# Altium PCB Acquisition-System_V1.0.PcbDoc (part 4 of 5) (continued)
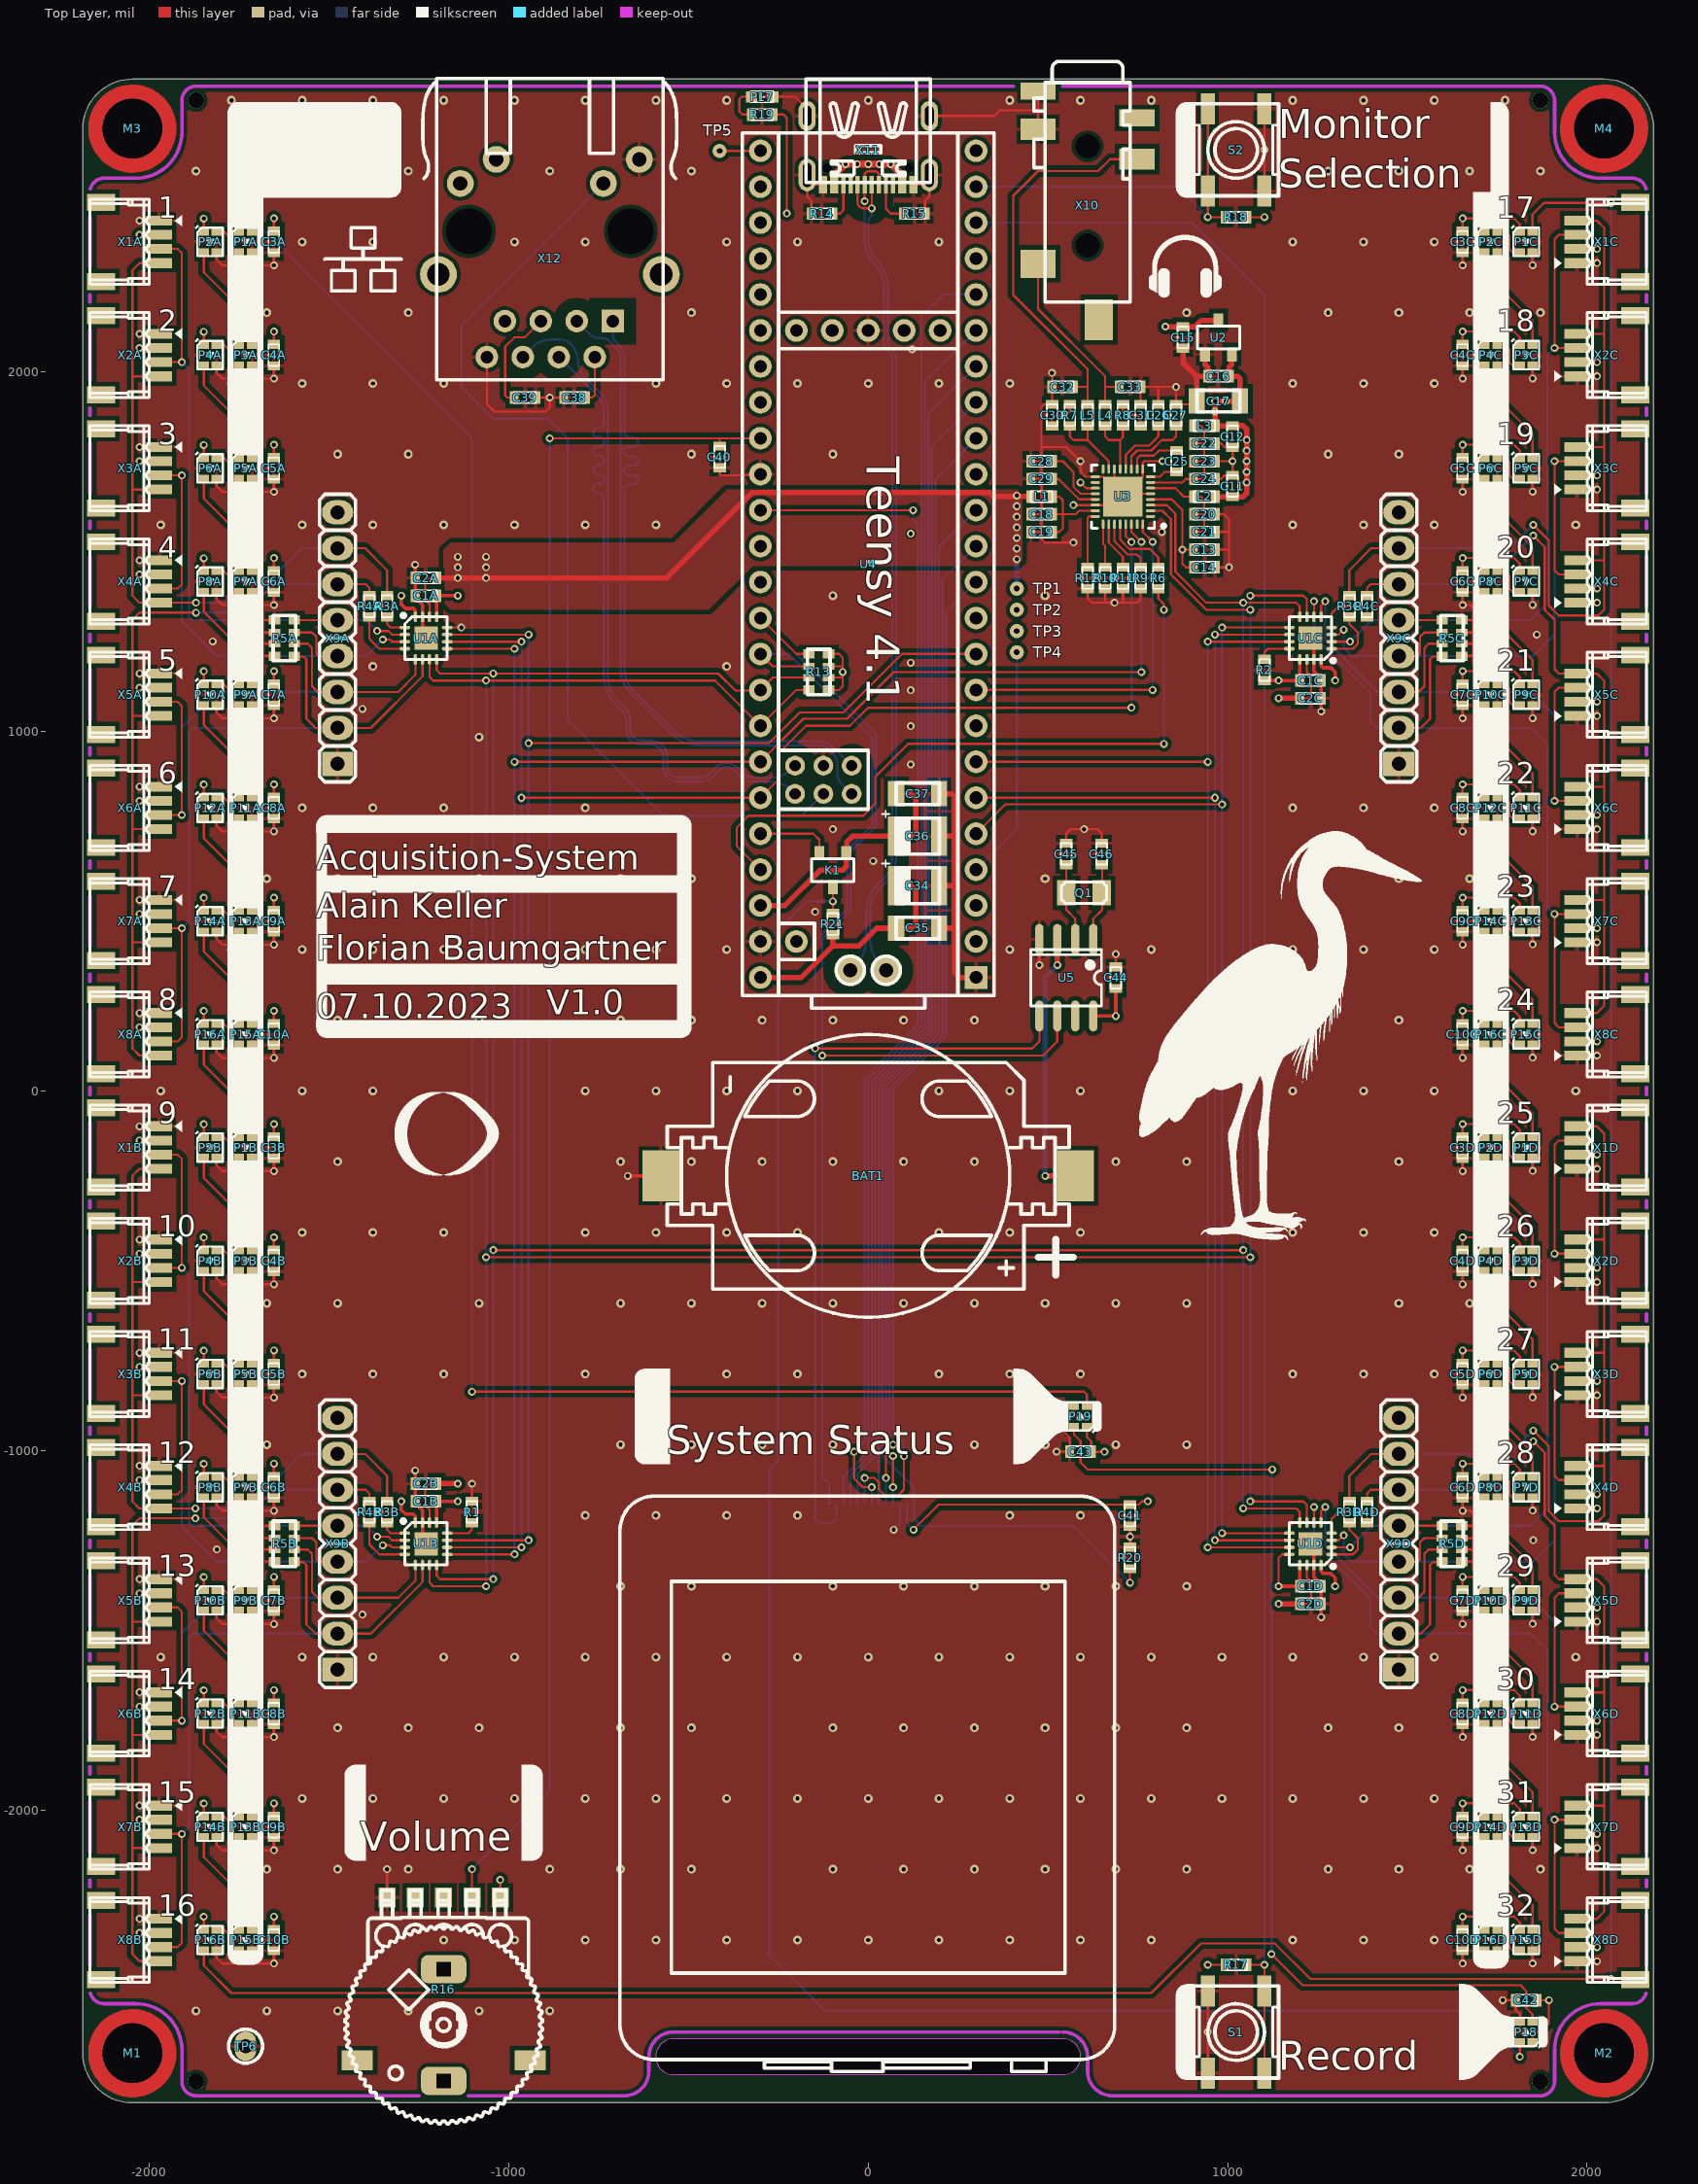
[diagram p0: Top Layer view]
## Polygon pours and split planes (outlines as drawn)
no net on Top Overlay (solid): -935.04,-2140.75 ccw(c-935.04,-2111.22) -905.51,-2111.22 -905.51,-1904.53 ccw(c-935.04,-1904.53) -935.04,-1875 -964.57,-1875 -964.57,-2140.75
no net on Top Overlay (solid): -1427.17,-2140.75 cw(c-1427.17,-2111.22) -1456.69,-2111.22 -1456.69,-1904.53 cw(c-1427.17,-1904.53) -1427.17,-1875 -1397.64,-1875 -1397.64,-2140.75
no net on Top Overlay (solid): -1328.74,2485.24 ccw(c-1328.74,2514.76) -1299.21,2514.76 -1299.21,2721.46 ccw(c-1328.74,2721.46) -1328.74,2750.98 -1574.8,2750.98 -1574.8,2485.24
no net on Top Overlay (solid): 1795.28,-2660.43 ccw(c1791.71,-2715.98) 1754.95,-2674.18 1695.55,-2733.58 cw(c1653.54,-2691.58) 1653.54,-2750.98 1643.7,-2750.98 1643.7,-2485.24 1653.54,-2485.24 cw(c1653.54,-2544.64) 1695.55,-2502.64 1754.95,-2562.04 ccw(c1791.71,-2520.24) 1795.28,-2575.79
no net on Top Overlay (solid): 1866.14,-2660.43 1876.97,-2660.43 ccw(c1876.97,-2647.64) 1889.76,-2647.64 1889.76,-2587.6 ccw(c1877.95,-2587.6) 1877.95,-2575.79 1866.14,-2575.79 1866.14,-2578.74
no net on Top Overlay (solid): 625.98,-947.83 636.81,-947.83 ccw(c636.81,-935.04) 649.61,-935.04 649.61,-875 ccw(c637.8,-875) 637.8,-863.19 625.98,-863.19 625.98,-866.14
no net on Top Overlay (solid): 555.12,-947.83 ccw(c551.55,-1003.39) 514.79,-961.59 455.39,-1020.99 cw(c413.39,-978.98) 413.39,-1038.39 403.54,-1038.39 403.54,-772.64 413.39,-772.64 cw(c413.39,-832.04) 455.39,-790.04 514.79,-849.44 ccw(c551.55,-807.64) 555.12,-863.19
no net on Top Overlay (solid): -620.08,-1038.39 cw(c-620.08,-1008.86) -649.61,-1008.86 -649.61,-802.17 cw(c-620.08,-802.17) -620.08,-772.64 -551.18,-772.64 -551.18,-1038.39
no net on Top Overlay (solid): -1751.97,2485.24 cw(c-1751.97,2514.76) -1781.5,2514.76 -1781.5,2721.46 cw(c-1751.97,2721.46) -1751.97,2750.98 -1574.8,2750.98 -1574.8,2485.24
no net on Top Overlay (solid): -1781.5,2519.69 -1683.07,2519.69 -1683.07,-2401.57 -1781.5,-2401.57
no net on Top Overlay (solid): 1781.5,2485.24 1781.5,2721.46 ccw(c1751.97,2721.46) 1751.97,2750.98 1732.28,2750.98 1732.28,2485.24
no net on Top Overlay (solid): 1781.5,2500 1683.07,2500 1683.07,-2401.57 1781.5,-2401.57
GND on Top Layer "NONET_L-01_P-001" (solid, remove dead copper, pour order 25): -1901.57,2779.53 ccw(c-1870.08,2755.91) -1909.45,2755.91 -1909.45,2667.32 cw(c-2037.4,2667.32) -2037.4,2539.37 -2125.98,2539.37 ccw(c-2125.99,2519.69) -2145.67,2519.68 -2145.67,-2519.68 ccw(c-2125.98,-2519.69) -2125.98,-2539.37 -2037.4,-2539.37 cw(c-2037.4,-2667.32) -1909.45,-2667.32 -1909.45,-2755.91 ccw(c-1870.08,-2755.91) -1870.08,-2795.28 1870.08,-2795.28 ccw(c1870.08,-2755.91) 1909.45,-2755.91 1909.45,-2667.32 cw(c2037.4,-2667.32) 2037.4,-2539.37 2125.98,-2539.37 ccw(c2125.98,-2519.68) 2145.67,-2519.68 2145.67,2519.69 ccw(c2125.98,2519.69) 2125.98,2539.37 2037.4,2539.37 cw(c2037.4,2667.32) 1909.45,2667.32 1909.45,2755.91 ccw(c1870.08,2755.91) 1901.57,2779.53
1V8 on Top Layer "NONET_L-01_P-001" (solid, pour order 22): -1161.42,1525.59 -1181.1,1505.91 -1181.1,1358.27 -1161.42,1338.58 -442.91,1338.58 -320.87,1460.63 413.39,1460.63 429.13,1476.38 429.13,1657.48 413.39,1673.23 -393.7,1673.23 -541.34,1525.59
3V3 on Mid-Layer 1 "NONET_L-01_P-001" (solid, remove dead copper, pour order 24): -1901.57,2779.53 ccw(c-1870.08,2755.91) -1909.45,2755.91 -1909.45,2667.32 cw(c-2037.4,2667.32) -2037.4,2539.37 -2125.98,2539.37 ccw(c-2125.99,2519.69) -2145.67,2519.68 -2145.67,-2519.68 ccw(c-2125.98,-2519.69) -2125.98,-2539.37 -2037.4,-2539.37 cw(c-2037.4,-2667.32) -1909.45,-2667.32 -1909.45,-2755.91 ccw(c-1870.08,-2755.91) -1870.08,-2795.28 1870.08,-2795.28 ccw(c1870.08,-2755.91) 1909.45,-2755.91 1909.45,-2667.32 cw(c2037.4,-2667.32) 2037.4,-2539.37 2125.98,-2539.37 ccw(c2125.98,-2519.68) 2145.67,-2519.68 2145.67,2519.69 ccw(c2125.98,2519.69) 2125.98,2539.37 2037.4,2539.37 cw(c2037.4,2667.32) 1909.45,2667.32 1909.45,2755.91 ccw(c1870.08,2755.91) 1901.57,2779.53
5V on Mid-Layer 1 "NONET_L-01_P-001" (solid, pour order 18): 344.49,1450.79 344.49,575.79 334.65,565.94 4.92,565.94 -196.85,364.17 -344.49,364.17 -364.17,344.49 -364.17,236.22 -344.49,216.54 334.65,216.54 354.33,196.85 354.33,-777.56 610.24,-1033.46 688.98,-1033.46 708.66,-1013.78 708.66,-954.72 472.44,-718.5 472.44,1450.79
5V on Mid-Layer 1 "NONET_L-01_P-001" (solid, pour order 17): -1456.69,2716.54 -216.54,2716.54 216.54,2716.54 531.5,2716.54 551.18,2696.85 551.18,2283.46 570.87,2263.78 1377.95,2263.78 1377.95,2047.24 492.13,2047.24 472.44,2027.56 344.49,2027.56 344.49,2440.94 324.8,2460.63 255.91,2460.63 196.85,2460.63 -39.37,2460.63 -196.85,2460.63 -255.91,2460.63 -1456.69,2460.63
1V8 on Mid-Layer 1 "NONET_L-01_P-001" (solid, pour order 21): -1181.1,-1102.36 -1161.42,-1122.05 -1043.31,-1122.05 -1023.62,-1102.36 -1023.62,1505.91 -1043.31,1525.59 -1161.42,1525.59 -1181.1,1505.91
1V8 on Mid-Layer 1 "NONET_L-01_P-001" (solid, pour order 23): 399.12,1474.89 413.39,1460.63 527.56,1460.63 551.18,1484.25 551.18,1692.91 482.28,1692.91 482.28,1673.23 413.39,1673.23 399.12,1658.96
5V on Mid-Layer 1 "NONET_L-01_P-001" (solid, pour order 20): 421.26,1437.01 388.78,1469.49 388.78,1663.39 408.46,1683.07 472.44,1683.07 472.44,2027.56 344.49,2027.56 344.49,1437.01
1V8 on Mid-Layer 1 "NONET_L-01_P-001" (solid, pour order 19): 1181.1,-1437.01 1161.42,-1456.69 1122.05,-1456.69 1023.62,-1358.27 1023.62,1614.17 925.2,1712.6 580.71,1712.6 501.97,1633.86 413.39,1633.86 399.12,1648.12 399.12,1658.96 413.39,1673.23 482.28,1673.23 482.28,2023.62 496.06,2037.4 1181.1,2037.4 1181.1,1909.45 1181.1,-1338.58
5V on Mid-Layer 1 "NONET_L-01_P-001" (solid, pour order 16): 1909.45,-2283.46 1909.45,-2303.15 1909.45,-2539.37 1889.76,-2559.06 1633.86,-2559.06 1614.17,-2539.37 1614.17,2027.56 1594.49,2047.24 1377.95,2047.24 1377.95,2263.78 1594.49,2263.78 1614.17,2283.46 1614.17,2421.26 1633.86,2440.94 1889.76,2440.94 1909.45,2421.26
5V on Mid-Layer 1 "NONET_L-01_P-001" (solid, pour order 15): -1909.45,-2303.15 -1889.76,-2322.83 -1633.86,-2322.83 -1614.17,-2303.15 -1614.17,2283.46 -1279.53,2618.11 -1279.53,2716.54 -1574.8,2716.54 -1909.45,2381.89
no net on Bottom Overlay (solid): 1604.33,-2495.08 cw(c1604.33,-2465.55) 1574.8,-2465.55 1574.8,-2258.86 cw(c1604.33,-2258.86) 1604.33,-2229.33 1633.86,-2229.33 1633.86,-2495.08
no net on Bottom Overlay (solid): 2096.46,-2495.08 ccw(c2096.46,-2465.55) 2125.98,-2465.55 2125.98,-2258.86 ccw(c2096.46,-2258.86) 2096.46,-2229.33 2066.93,-2229.33 2066.93,-2495.08
no net on Bottom Overlay (solid): 1604.33,-2180.12 cw(c1604.33,-2150.59) 1574.8,-2150.59 1574.8,-1943.9 cw(c1604.33,-1943.9) 1604.33,-1914.37 1633.86,-1914.37 1633.86,-2180.12
no net on Bottom Overlay (solid): 2096.46,-2180.12 ccw(c2096.46,-2150.59) 2125.98,-2150.59 2125.98,-1943.9 ccw(c2096.46,-1943.9) 2096.46,-1914.37 2066.93,-1914.37 2066.93,-2180.12
no net on Bottom Overlay (solid): 1604.33,-1865.16 cw(c1604.33,-1835.63) 1574.8,-1835.63 1574.8,-1628.94 cw(c1604.33,-1628.94) 1604.33,-1599.41 1633.86,-1599.41 1633.86,-1865.16
no net on Bottom Overlay (solid): 2096.46,-1865.16 ccw(c2096.46,-1835.63) 2125.98,-1835.63 2125.98,-1628.94 ccw(c2096.46,-1628.94) 2096.46,-1599.41 2066.93,-1599.41 2066.93,-1865.16
no net on Bottom Overlay (solid): 1604.33,-1550.2 cw(c1604.33,-1520.67) 1574.8,-1520.67 1574.8,-1313.98 cw(c1604.33,-1313.98) 1604.33,-1284.45 1633.86,-1284.45 1633.86,-1550.2
no net on Bottom Overlay (solid): 2096.46,-1550.2 ccw(c2096.46,-1520.67) 2125.98,-1520.67 2125.98,-1313.98 ccw(c2096.46,-1313.98) 2096.46,-1284.45 2066.93,-1284.45 2066.93,-1550.2
no net on Bottom Overlay (solid): 1604.33,-1235.24 cw(c1604.33,-1205.71) 1574.8,-1205.71 1574.8,-999.02 cw(c1604.33,-999.02) 1604.33,-969.49 1633.86,-969.49 1633.86,-1235.24
no net on Bottom Overlay (solid): 2096.46,-1235.24 ccw(c2096.46,-1205.71) 2125.98,-1205.71 2125.98,-999.02 ccw(c2096.46,-999.02) 2096.46,-969.49 2066.93,-969.49 2066.93,-1235.24
no net on Bottom Overlay (solid): 1604.33,-920.28 cw(c1604.33,-890.75) 1574.8,-890.75 1574.8,-684.05 cw(c1604.33,-684.05) 1604.33,-654.53 1633.86,-654.53 1633.86,-920.28
no net on Bottom Overlay (solid): 2096.46,-920.28 ccw(c2096.46,-890.75) 2125.98,-890.75 2125.98,-684.05 ccw(c2096.46,-684.05) 2096.46,-654.53 2066.93,-654.53 2066.93,-920.28
no net on Bottom Overlay (solid): 1604.33,-605.31 cw(c1604.33,-575.79) 1574.8,-575.79 1574.8,-369.09 cw(c1604.33,-369.09) 1604.33,-339.57 1633.86,-339.57 1633.86,-605.31
no net on Bottom Overlay (solid): 2096.46,-605.31 ccw(c2096.46,-575.79) 2125.98,-575.79 2125.98,-369.09 ccw(c2096.46,-369.09) 2096.46,-339.57 2066.93,-339.57 2066.93,-605.31
no net on Bottom Overlay (solid): 1604.33,-290.35 cw(c1604.33,-260.83) 1574.8,-260.83 1574.8,-54.13 cw(c1604.33,-54.13) 1604.33,-24.61 1633.86,-24.61 1633.86,-290.35
no net on Bottom Overlay (solid): 2096.46,-290.35 ccw(c2096.46,-260.83) 2125.98,-260.83 2125.98,-54.13 ccw(c2096.46,-54.13) 2096.46,-24.61 2066.93,-24.61 2066.93,-290.35
no net on Bottom Overlay (solid): 1604.33,24.61 cw(c1604.33,54.13) 1574.8,54.13 1574.8,260.83 cw(c1604.33,260.83) 1604.33,290.35 1633.86,290.35 1633.86,24.61
no net on Bottom Overlay (solid): 2096.46,24.61 ccw(c2096.46,54.13) 2125.98,54.13 2125.98,260.83 ccw(c2096.46,260.83) 2096.46,290.35 2066.93,290.35 2066.93,24.61
no net on Bottom Overlay (solid): 1604.33,339.57 cw(c1604.33,369.09) 1574.8,369.09 1574.8,575.79 cw(c1604.33,575.79) 1604.33,605.32 1633.86,605.32 1633.86,339.57
no net on Bottom Overlay (solid): 2096.46,339.57 ccw(c2096.46,369.09) 2125.98,369.09 2125.98,575.79 ccw(c2096.46,575.79) 2096.46,605.32 2066.93,605.32 2066.93,339.57
no net on Bottom Overlay (solid): 1604.33,654.53 cw(c1604.33,684.05) 1574.8,684.06 1574.8,890.75 cw(c1604.33,890.75) 1604.33,920.28 1633.86,920.28 1633.86,654.53
no net on Bottom Overlay (solid): 2096.46,654.53 ccw(c2096.46,684.05) 2125.98,684.06 2125.98,890.75 ccw(c2096.46,890.75) 2096.46,920.28 2066.93,920.28 2066.93,654.53
no net on Bottom Overlay (solid): 1604.33,969.49 cw(c1604.33,999.01) 1574.8,999.02 1574.8,1205.71 cw(c1604.33,1205.71) 1604.33,1235.24 1633.86,1235.24 1633.86,969.49
no net on Bottom Overlay (solid): 2096.46,969.49 ccw(c2096.46,999.01) 2125.98,999.02 2125.98,1205.71 ccw(c2096.46,1205.71) 2096.46,1235.24 2066.93,1235.24 2066.93,969.49
no net on Bottom Overlay (solid): 1604.33,1284.45 cw(c1604.33,1313.98) 1574.8,1313.98 1574.8,1520.67 cw(c1604.33,1520.67) 1604.33,1550.2 1633.86,1550.2 1633.86,1284.45
no net on Bottom Overlay (solid): 2096.46,1284.45 ccw(c2096.46,1313.98) 2125.98,1313.98 2125.98,1520.67 ccw(c2096.46,1520.67) 2096.46,1550.2 2066.93,1550.2 2066.93,1284.45
no net on Bottom Overlay (solid): 1604.33,1599.41 cw(c1604.33,1628.94) 1574.8,1628.94 1574.8,1835.63 cw(c1604.33,1835.63) 1604.33,1865.16 1633.86,1865.16 1633.86,1599.41
no net on Bottom Overlay (solid): 2096.46,1599.41 ccw(c2096.46,1628.94) 2125.98,1628.94 2125.98,1835.63 ccw(c2096.46,1835.63) 2096.46,1865.16 2066.93,1865.16 2066.93,1599.41
no net on Bottom Overlay (solid): 1604.33,1914.37 cw(c1604.33,1943.9) 1574.8,1943.9 1574.8,2150.59 cw(c1604.33,2150.59) 1604.33,2180.12 1633.86,2180.12 1633.86,1914.37
no net on Bottom Overlay (solid): 2096.46,1914.37 ccw(c2096.46,1943.9) 2125.98,1943.9 2125.98,2150.59 ccw(c2096.46,2150.59) 2096.46,2180.12 2066.93,2180.12 2066.93,1914.37
no net on Bottom Overlay (solid): 2096.46,2229.33 ccw(c2096.46,2258.86) 2125.98,2258.86 2125.98,2465.55 ccw(c2096.46,2465.55) 2096.46,2495.08 2066.93,2495.08 2066.93,2229.33
no net on Bottom Overlay (solid): 1604.33,2229.33 cw(c1604.33,2258.86) 1574.8,2258.86 1574.8,2465.55 cw(c1604.33,2465.55) 1604.33,2495.08 1633.86,2495.08 1633.86,2229.33
no net on Bottom Overlay (solid): -1604.33,2229.33 ccw(c-1604.33,2258.86) -1574.8,2258.86 -1574.8,2465.55 ccw(c-1604.33,2465.55) -1604.33,2495.08 -1633.86,2495.08 -1633.86,2229.33
no net on Bottom Overlay (solid): -2096.46,2229.33 cw(c-2096.46,2258.86) -2125.98,2258.86 -2125.98,2465.55 cw(c-2096.46,2465.55) -2096.46,2495.08 -2066.93,2495.08 -2066.93,2229.33
no net on Bottom Overlay (solid): -1604.33,-2495.08 ccw(c-1604.33,-2465.55) -1574.8,-2465.55 -1574.8,-2258.86 ccw(c-1604.33,-2258.86) -1604.33,-2229.33 -1633.86,-2229.33 -1633.86,-2495.08
no net on Bottom Overlay (solid): -2096.46,-2495.08 cw(c-2096.46,-2465.55) -2125.98,-2465.55 -2125.98,-2258.86 cw(c-2096.46,-2258.86) -2096.46,-2229.33 -2066.93,-2229.33 -2066.93,-2495.08
no net on Bottom Overlay (solid): -1604.33,-2180.12 ccw(c-1604.33,-2150.59) -1574.8,-2150.59 -1574.8,-1943.9 ccw(c-1604.33,-1943.9) -1604.33,-1914.37 -1633.86,-1914.37 -1633.86,-2180.12
no net on Bottom Overlay (solid): -2096.46,-2180.12 cw(c-2096.46,-2150.59) -2125.98,-2150.59 -2125.98,-1943.9 cw(c-2096.46,-1943.9) -2096.46,-1914.37 -2066.93,-1914.37 -2066.93,-2180.12
no net on Bottom Overlay (solid): -1604.33,-1865.16 ccw(c-1604.33,-1835.63) -1574.8,-1835.63 -1574.8,-1628.94 ccw(c-1604.33,-1628.94) -1604.33,-1599.41 -1633.86,-1599.41 -1633.86,-1865.16
no net on Bottom Overlay (solid): -2096.46,-1865.16 cw(c-2096.46,-1835.63) -2125.98,-1835.63 -2125.98,-1628.94 cw(c-2096.46,-1628.94) -2096.46,-1599.41 -2066.93,-1599.41 -2066.93,-1865.16
no net on Bottom Overlay (solid): -1604.33,-1550.2 ccw(c-1604.33,-1520.67) -1574.8,-1520.67 -1574.8,-1313.98 ccw(c-1604.33,-1313.98) -1604.33,-1284.45 -1633.86,-1284.45 -1633.86,-1550.2
no net on Bottom Overlay (solid): -2096.46,-1550.2 cw(c-2096.46,-1520.67) -2125.98,-1520.67 -2125.98,-1313.98 cw(c-2096.46,-1313.98) -2096.46,-1284.45 -2066.93,-1284.45 -2066.93,-1550.2
no net on Bottom Overlay (solid): -1604.33,-1235.24 ccw(c-1604.33,-1205.71) -1574.8,-1205.71 -1574.8,-999.02 ccw(c-1604.33,-999.02) -1604.33,-969.49 -1633.86,-969.49 -1633.86,-1235.24
no net on Bottom Overlay (solid): -2096.46,-1235.24 cw(c-2096.46,-1205.71) -2125.98,-1205.71 -2125.98,-999.02 cw(c-2096.46,-999.02) -2096.46,-969.49 -2066.93,-969.49 -2066.93,-1235.24
no net on Bottom Overlay (solid): -1604.33,-920.28 ccw(c-1604.33,-890.75) -1574.8,-890.75 -1574.8,-684.05 ccw(c-1604.33,-684.05) -1604.33,-654.53 -1633.86,-654.53 -1633.86,-920.28
no net on Bottom Overlay (solid): -2096.46,-920.28 cw(c-2096.46,-890.75) -2125.98,-890.75 -2125.98,-684.05 cw(c-2096.46,-684.05) -2096.46,-654.53 -2066.93,-654.53 -2066.93,-920.28
no net on Bottom Overlay (solid): -1604.33,-605.31 ccw(c-1604.33,-575.79) -1574.8,-575.79 -1574.8,-369.09 ccw(c-1604.33,-369.09) -1604.33,-339.57 -1633.86,-339.57 -1633.86,-605.31
no net on Bottom Overlay (solid): -2096.46,-605.31 cw(c-2096.46,-575.79) -2125.98,-575.79 -2125.98,-369.09 cw(c-2096.46,-369.09) -2096.46,-339.57 -2066.93,-339.57 -2066.93,-605.31
no net on Bottom Overlay (solid): -1604.33,-290.35 ccw(c-1604.33,-260.83) -1574.8,-260.83 -1574.8,-54.13 ccw(c-1604.33,-54.13) -1604.33,-24.61 -1633.86,-24.61 -1633.86,-290.35
no net on Bottom Overlay (solid): -2096.46,-290.35 cw(c-2096.46,-260.83) -2125.98,-260.83 -2125.98,-54.13 cw(c-2096.46,-54.13) -2096.46,-24.61 -2066.93,-24.61 -2066.93,-290.35
no net on Bottom Overlay (solid): -1604.33,24.61 ccw(c-1604.33,54.13) -1574.8,54.13 -1574.8,260.83 ccw(c-1604.33,260.83) -1604.33,290.35 -1633.86,290.35 -1633.86,24.61
no net on Bottom Overlay (solid): -2096.46,24.61 cw(c-2096.46,54.13) -2125.98,54.13 -2125.98,260.83 cw(c-2096.46,260.83) -2096.46,290.35 -2066.93,290.35 -2066.93,24.61
no net on Bottom Overlay (solid): -1604.33,339.57 ccw(c-1604.33,369.09) -1574.8,369.09 -1574.8,575.79 ccw(c-1604.33,575.79) -1604.33,605.32 -1633.86,605.32 -1633.86,339.57
no net on Bottom Overlay (solid): -2096.46,339.57 cw(c-2096.46,369.09) -2125.98,369.09 -2125.98,575.79 cw(c-2096.46,575.79) -2096.46,605.32 -2066.93,605.32 -2066.93,339.57
no net on Bottom Overlay (solid): -1604.33,654.53 ccw(c-1604.33,684.05) -1574.8,684.06 -1574.8,890.75 ccw(c-1604.33,890.75) -1604.33,920.28 -1633.86,920.28 -1633.86,654.53
no net on Bottom Overlay (solid): -2096.46,654.53 cw(c-2096.46,684.05) -2125.98,684.06 -2125.98,890.75 cw(c-2096.46,890.75) -2096.46,920.28 -2066.93,920.28 -2066.93,654.53
no net on Bottom Overlay (solid): -1604.33,969.49 ccw(c-1604.33,999.01) -1574.8,999.02 -1574.8,1205.71 ccw(c-1604.33,1205.71) -1604.33,1235.24 -1633.86,1235.24 -1633.86,969.49
no net on Bottom Overlay (solid): -2096.46,969.49 cw(c-2096.46,999.01) -2125.98,999.02 -2125.98,1205.71 cw(c-2096.46,1205.71) -2096.46,1235.24 -2066.93,1235.24 -2066.93,969.49
no net on Bottom Overlay (solid): -1604.33,1284.45 ccw(c-1604.33,1313.98) -1574.8,1313.98 -1574.8,1520.67 ccw(c-1604.33,1520.67) -1604.33,1550.2 -1633.86,1550.2 -1633.86,1284.45
no net on Bottom Overlay (solid): -2096.46,1284.45 cw(c-2096.46,1313.98) -2125.98,1313.98 -2125.98,1520.67 cw(c-2096.46,1520.67) -2096.46,1550.2 -2066.93,1550.2 -2066.93,1284.45
no net on Bottom Overlay (solid): -1604.33,1599.41 ccw(c-1604.33,1628.94) -1574.8,1628.94 -1574.8,1835.63 ccw(c-1604.33,1835.63) -1604.33,1865.16 -1633.86,1865.16 -1633.86,1599.41
no net on Bottom Overlay (solid): -2096.46,1599.41 cw(c-2096.46,1628.94) -2125.98,1628.94 -2125.98,1835.63 cw(c-2096.46,1835.63) -2096.46,1865.16 -2066.93,1865.16 -2066.93,1599.41
no net on Bottom Overlay (solid): -2096.46,1914.37 cw(c-2096.46,1943.9) -2125.98,1943.9 -2125.98,2150.59 cw(c-2096.46,2150.59) -2096.46,2180.12 -2066.93,2180.12 -2066.93,1914.37
no net on Bottom Overlay (solid): -1604.33,1914.37 ccw(c-1604.33,1943.9) -1574.8,1943.9 -1574.8,2150.59 ccw(c-1604.33,2150.59) -1604.33,2180.12 -1633.86,2180.12 -1633.86,1914.37
GND on Mid-Layer 2 "NONET_L-01_P-001" (solid, remove dead copper, pour order 12): -1901.57,2779.53 ccw(c-1870.08,2755.91) -1909.45,2755.91 -1909.45,2667.32 cw(c-2037.4,2667.32) -2037.4,2539.37 -2125.98,2539.37 ccw(c-2125.99,2519.69) -2145.67,2519.68 -2145.67,-2519.68 ccw(c-2125.98,-2519.69) -2125.98,-2539.37 -2037.4,-2539.37 cw(c-2037.4,-2667.32) -1909.45,-2667.32 -1909.45,-2755.91 ccw(c-1870.08,-2755.91) -1870.08,-2795.28 1870.08,-2795.28 ccw(c1870.08,-2755.91) 1909.45,-2755.91 1909.45,-2667.32 cw(c2037.4,-2667.32) 2037.4,-2539.37 2125.98,-2539.37 ccw(c2125.98,-2519.68) 2145.67,-2519.68 2145.67,2519.69 ccw(c2125.98,2519.69) 2125.98,2539.37 2037.4,2539.37 cw(c2037.4,2667.32) 1909.45,2667.32 1909.45,2755.91 ccw(c1870.08,2755.91) 1901.57,2779.53
GND on Bottom Layer "NONET_L-01_P-001" (solid, remove dead copper, pour order 14): -1898.99,2783.41 ccw(c-1867.49,2759.79) -1906.86,2759.79 -1906.86,2671.21 cw(c-2034.81,2671.2) -2034.82,2543.25 -2123.4,2543.25 ccw(c-2123.4,2523.57) -2143.08,2523.57 -2143.08,-2515.8 ccw(c-2123.4,-2515.8) -2123.4,-2535.49 -2034.82,-2535.49 cw(c-2034.81,-2663.44) -1906.86,-2663.44 -1906.86,-2752.02 ccw(c-1867.49,-2752.02) -1867.49,-2791.39 1872.66,-2791.39 ccw(c1872.66,-2752.02) 1912.03,-2752.02 1912.03,-2663.44 cw(c2039.99,-2663.44) 2039.99,-2535.49 2128.57,-2535.49 ccw(c2128.57,-2515.8) 2148.26,-2515.8 2148.26,2523.57 ccw(c2128.57,2523.57) 2128.57,2543.25 2039.99,2543.25 cw(c2039.99,2671.21) 1912.03,2671.21 1912.03,2759.79 ccw(c1872.67,2759.79) 1904.16,2783.41

## Keep-outs
Keep-Out Layer:
  lines w10: -2165.35,-2431.1 -2165.35,-2293.31 ; -2165.35,-2214.57 -2165.35,-2194.88 ; -2165.35,-2116.14 -2165.35,-1978.35 ; -2165.35,-1899.61 -2165.35,-1879.92 ; -2165.35,-1801.18 -2165.35,-1663.39 ; -2165.35,-1584.65 -2165.35,-1564.96 ; -2165.35,-1486.22 -2165.35,-1348.43 ; -2165.35,-1269.68 -2165.35,-1250 ; -2165.35,-1171.26 -2165.35,-1033.46 ; -2165.35,-954.72 -2165.35,-935.04 ; -2165.35,-856.3 -2165.35,-718.5 ; -2165.35,-639.76 -2165.35,-620.08 ; -2165.35,-541.34 -2165.35,-403.54 ; -2165.35,-324.8 -2165.35,-305.12 ; -2165.35,-226.38 -2165.35,-88.58 ; -2165.35,-9.84 -2165.35,9.84 ; -2165.35,88.58 -2165.35,226.38 ; -2165.35,305.12 -2165.35,324.8 ; -2165.35,403.54 -2165.35,541.34 ; -2165.35,620.08 -2165.35,639.76 ; -2165.35,718.5 -2165.35,856.3 ; -2165.35,935.04 -2165.35,954.72 ; -2165.35,1033.46 -2165.35,1171.26 ; -2165.35,1250 -2165.35,1269.69 ; -2165.35,1348.43 -2165.35,1486.22 ; -2165.35,1564.96 -2165.35,1584.65 ; -2165.35,1663.39 -2165.35,1801.18 ; -2165.35,1879.92 -2165.35,1899.61 ; -2165.35,1978.35 -2165.35,2116.14 ; -2165.35,2194.88 -2165.35,2214.57 ; -2165.35,2293.31 -2165.35,2431.1 ; -2164.01,-2510.19 ccw(c-2125.98,-2500) -2125.98,-2539.37 -2037.4,-2539.37 cw(c-2037.4,-2667.32) -1909.45,-2667.32 -1909.45,-2755.91 ccw(c-1870.08,-2755.91) -1870.08,-2795.28 -1250,-2795.28 ; -2164.01,2510.19 cw(c-2125.98,2500) -2125.98,2539.37 -2037.4,2539.37 ccw(c-2037.4,2667.32) -1909.45,2667.32 -1909.45,2755.91 cw(c-1870.08,2755.91) -1870.08,2795.28 0,2795.28 403.54,2795.28 ; -1112.2,-2795.28 -679.13,-2795.28 ccw(c-679.13,-2726.38) -610.24,-2726.38 -610.24,-2687.01 cw(c-541.34,-2687.01) -541.34,-2618.11 531.5,-2618.11 ; 541.34,-2618.11 cw(c541.34,-2687.01) 610.24,-2687.01 610.24,-2726.38 ccw(c679.13,-2726.38) 679.13,-2795.28 1870.08,-2795.28 ccw(c1870.08,-2755.91) 1909.45,-2755.91 1909.45,-2667.32 cw(c2037.4,-2667.32) 2037.4,-2539.37 2125.98,-2539.37 ccw(c2125.98,-2500) 2164.01,-2510.19 ; 541.34,2795.28 1870.08,2795.28 cw(c1870.08,2755.91) 1909.45,2755.91 1909.45,2667.32 ccw(c2037.4,2667.32) 2037.4,2539.37 2125.98,2539.37 cw(c2125.98,2500) 2164.01,2510.19 ; 2165.35,-2431.1 2165.35,-2293.31 ; 2165.35,-2214.57 2165.35,-2194.88 ; 2165.35,-2116.14 2165.35,-1978.35 ; 2165.35,-1899.61 2165.35,-1879.92 ; 2165.35,-1801.18 2165.35,-1663.39 ; 2165.35,-1584.65 2165.35,-1564.96 ; 2165.35,-1486.22 2165.35,-1348.43 ; 2165.35,-1269.68 2165.35,-1250 ; 2165.35,-1171.26 2165.35,-1033.46 ; 2165.35,-954.72 2165.35,-935.04 ; 2165.35,-856.3 2165.35,-718.5 ; 2165.35,-639.76 2165.35,-620.08 ; 2165.35,-541.34 2165.35,-403.54 ; 2165.35,-324.8 2165.35,-305.12 ; 2165.35,-226.38 2165.35,-88.58 ; 2165.35,-9.84 2165.35,9.84 ; 2165.35,88.58 2165.35,226.38 ; 2165.35,305.12 2165.35,324.8 ; 2165.35,403.54 2165.35,541.34 ; 2165.35,620.08 2165.35,639.76 ; 2165.35,718.5 2165.35,856.3 ; 2165.35,935.04 2165.35,954.72 ; 2165.35,1033.46 2165.35,1171.26 ; 2165.35,1250 2165.35,1269.69 ; 2165.35,1348.43 2165.35,1486.22 ; 2165.35,1564.96 2165.35,1584.65 ; 2165.35,1663.39 2165.35,1801.18 ; 2165.35,1879.92 2165.35,1899.61 ; 2165.35,1978.35 2165.35,2116.14 ; 2165.35,2194.88 2165.35,2214.57 ; 2165.35,2293.31 2165.35,2431.1

## Silkscreen, mask and mechanical layers (free items; w line width, h text height)
Top Overlay:
  drawing of 871 lines, arcs and shapes, not listed
  text "Monitor / Selection" at 1141.73,2485.24 h137.8
  text "1" at -1975.74,2408.82 h102.36
  text "17" at 1749.37,2408.82 h102.36
  text "2" at -1975.74,2093.86 h102.36
  text "18" at 1749.37,2093.86 h102.36
  text "3" at -1975.74,1778.9 h102.36
  text "19" at 1749.37,1778.9 h102.36
  text "4" at -1975.74,1463.94 h102.36
  text "20" at 1749.37,1463.94 h102.36
  text "5" at -1975.74,1148.97 h102.36
  text "21" at 1749.37,1148.97 h102.36
  text "6" at -1975.74,834.01 h102.36
  text "22" at 1749.37,834.01 h102.36
  text "Acquisition-System" at -1535.43,592.84 h118.11
  text "7" at -1975.74,519.05 h102.36
  text "23" at 1749.37,519.05 h102.36
  text "Alain Keller / Florian Baumgartner" at -1535.43,340.78 h118.11
  text "8" at -1975.74,204.09 h102.36
  text "24" at 1749.37,204.09 h102.36
  text "V1.0" at -895.67,189.3 h118.11
  text "07.10.2023" at -1535.43,179.45 h118.11
  text "9" at -1975.74,-110.87 h102.36
  text "25" at 1749.37,-110.87 h102.36
  text "10" at -1975.74,-425.83 h102.36
  text "26" at 1749.37,-425.83 h102.36
  text "11" at -1975.74,-740.79 h102.36
  text "27" at 1749.37,-740.79 h102.36
  text "System Status" at -561.02,-1038.39 h137.8
  text "12" at -1975.74,-1055.75 h102.36
  text "28" at 1749.37,-1055.75 h102.36
  text "13" at -1975.74,-1370.71 h102.36
  text "29" at 1749.37,-1370.71 h102.36
  text "14" at -1975.74,-1685.67 h102.36
  text "30" at 1749.37,-1685.67 h102.36
  text "15" at -1975.74,-2000.63 h102.36
  text "31" at 1749.37,-2000.63 h102.36
  text "Volume" at -1412.4,-2140.75 h137.8
  text "16" at -1975.74,-2315.59 h102.36
  text "32" at 1749.37,-2315.59 h102.36
  text "Record" at 1141.73,-2750.98 h137.8
Bottom Overlay:
  text "TDM2_MCLK" at -274.76,2673.68 h32
  text "CH 1" at -1619.09,2229.33 h137.8
  text "CH 17" at 2081.69,2229.33 h137.8
  text "CH 2" at -1619.09,1914.37 h137.8
  text "CH 18" at 2081.69,1914.37 h137.8
  text "CH 3" at -1619.09,1599.41 h137.8
  text "CH 19" at 2081.69,1599.41 h137.8
  text "3V3" at -1281.42,1587.35 h45
  text "3V3" at 1401.38,1587.35 h45
  text "CLK0" at -1236.43,1487.35 h45
  text "CLK0" at 1401.38,1487.35 h45
  text "CLK1" at -1251.43,1387.35 h45
  text "CLK1" at 1401.38,1387.35 h45
  text "1V8" at 546.67,1381.64 h32
  text "3V3" at 552.01,1322.59 h32
  text "DAT0" at -1236.43,1287.35 h45
  text "DAT0" at 1401.38,1287.35 h45
  text "CH 4" at -1619.09,1284.45 h137.8
  text "CH 20" at 2081.69,1284.45 h137.8
  text "5V" at 520.02,1263.53 h32
  text "TDM2_TX" at 679.97,1204.19 h32
  text "DAT1" at -1251.43,1187.35 h45
  text "DAT1" at 1401.38,1187.35 h45
  text "DAT2" at -1236.43,1087.35 h45
  text "DAT2" at 1401.38,1087.35 h45
  text "DAT3" at -1236.43,987.35 h45
  text "DAT3" at 1401.38,987.35 h45
  text "CH 5" at -1619.09,969.49 h137.8
  text "CH 21" at 2081.69,969.49 h137.8
  text "GND" at -1281.42,887.35 h45
  text "GND" at 1401.38,887.35 h45
  text "CH 6" at -1619.09,654.53 h137.8
  text "CH 22" at 2081.69,654.53 h137.8
  text "CH 7" at -1619.09,339.57 h137.8
  text "CH 23" at 2081.69,339.57 h137.8
  text "CH 8" at -1619.09,24.61 h137.8
  text "CH 24" at 2081.69,24.61 h137.8
  text "CH 9" at -1619.09,-290.35 h137.8
  text "CH 25" at 2081.69,-290.35 h137.8
  text "CH 10" at -1619.09,-605.31 h137.8
  text "CH 26" at 2081.69,-605.31 h137.8
  text "CH 11" at -1619.09,-920.28 h137.8
  text "CH 27" at 2081.69,-920.28 h137.8
  text "3V3" at -1281.42,-932.34 h45
  text "3V3" at 1401.38,-932.34 h45
  text "CLK0" at -1236.43,-1032.34 h45
  text "CLK0" at 1401.38,-1032.34 h45
  text "CLK1" at -1251.43,-1132.34 h45
  text "CLK1" at 1401.38,-1132.34 h45
  text "DAT0" at -1236.43,-1232.34 h45
  text "DAT0" at 1401.38,-1232.34 h45
  text "CH 12" at -1619.09,-1235.24 h137.8
  text "CH 28" at 2081.69,-1235.24 h137.8
  text "DAT1" at -1251.43,-1332.34 h45
  text "DAT1" at 1401.38,-1332.34 h45
  text "DAT2" at -1236.43,-1432.34 h45
  text "DAT2" at 1401.38,-1432.34 h45
  text "DAT3" at -1236.43,-1532.34 h45
  text "DAT3" at 1401.38,-1532.34 h45
  text "CH 13" at -1619.09,-1550.2 h137.8
  text "CH 29" at 2081.69,-1550.2 h137.8
  text "GND" at -1281.42,-1632.34 h45
  text "GND" at 1401.38,-1632.34 h45
  text "CH 14" at -1619.09,-1865.16 h137.8
  text "CH 30" at 2081.69,-1865.16 h137.8
  text "CH 15" at -1619.09,-2180.12 h137.8
  text "CH 31" at 2081.69,-2180.12 h137.8
  text "CH 16" at -1619.09,-2495.08 h137.8
  text "CH 32" at 2081.69,-2495.08 h137.8
Top Solder:
  drawing of 4 lines, arcs and shapes, not listed
Mechanical 1:
  lines w10: -2185.04,-2677.17 ccw(c-2047.24,-2677.17) -2047.24,-2814.96 0,-2814.96 2047.24,-2814.96 ccw(c2047.24,-2677.17) 2185.04,-2677.17 2185.04,2677.17 ccw(c2047.24,2677.17) 2047.24,2814.96 0,2814.96 -2047.24,2814.96 ccw(c-2047.24,2677.17) -2185.04,2677.17 -2185.04,-2677.17
Mechanical 15:
  lines w5: -5849.61,-2479.92 -5649.61,-2479.92 ; -5849.61,-579.92 -5649.61,-579.92 ; -5849.61,1320.08 -5649.61,1320.08 ; -5649.61,-3879.92 -1149.61,-3879.92 ; -5649.61,-3579.92 -1149.61,-3579.92 ; -4749.61,-4179.92 -4749.61,-3579.92 ; -2974.61,-4379.92 -2974.61,-4179.92 ; -2974.61,3020.08 -2974.61,3220.08 ; -2649.61,-4179.92 -2649.61,-3579.92 -2649.61,-2979.92 ; -2649.61,-3279.92 -1149.61,-3279.92 ; -99.61,-4379.92 -99.61,-4179.92 ; -99.61,3020.08 -99.61,3220.08 ; 250.39,-4179.92 -1149.61,-4179.92 ; 2775.39,-4379.92 2775.39,-4179.92 ; 2775.39,3020.08 2775.39,3220.08 ; 5059.84,-2490.16 5259.84,-2490.16 ; 5059.84,-561.02 5259.84,-561.02 ; 5059.84,1328.74 5259.84,1328.74 ; -5649.61,-4179.92 5059.84,-4183.07 5059.84,3021.65 -5649.61,3020.08 -5649.61,-4179.92 ; -5649.61,-4179.92 -1149.61,-4179.92 ; -5649.61,-4179.92 -5649.61,-2979.92 -2649.61,-2979.92 ; -2649.61,-2979.92 -1149.61,-2979.92 -1149.61,-4179.92 ; -5849.61,-4379.92 5256.69,-4379.92 5256.69,3218.5 -5849.61,3220.08 -5849.61,-4379.92
  text "4" at -4386.61,3085.08 h70
  text "3" at -1516.61,3085.08 h70
  text "2" at 1363.39,3085.08 h70
  text "1" at 4223.39,3085.08 h70
  text "A" at 5217.32,2194.88 h70
  text "A" at -5724.61,2179.08 h70
  text "B" at 5177.95,305.12 h70
  text "B" at -5724.61,287.08 h70
  text "C" at -5724.61,-1622.92 h70
  text "C" at 5177.95,-1624.02 h70
  text "TITLE:" at -2699.61,-3079.92 h45
  text "ENGINEER:" at -1199.61,-3079.92 h45
  text "Florian Baumgartner" at -1258.51,-3231.22 h70
  text "PCB DESIGNER:" at -1199.61,-3374.92 h45
  text "Acquisition-System" at -2724.06,-3398.23 h157.48
  text "D" at -5724.61,-3512.92 h70
  text "D" at 5177.95,-3513.78 h70
  text "Florian Baumgartner" at -1258.51,-3531.22 h70
  text "REV:" at -4799.61,-3679.92 h45
  text "PART NO.:" at -2699.61,-3679.92 h45
  text "DATE:" at -1199.61,-3679.92 h45
  text "02.10.2023" at -1249.61,-3799.92 h70
  text "V1.1" at -4833.51,-3831.22 h70
  text "1/1" at -2708.51,-3831.22 h70
  text "SCALE:" at -4799.61,-3979.92 h45
  text "DWG NO:" at -2699.61,-3979.92 h45
  text "FILE NAME:" at -1199.61,-3979.92 h45
  text "Acquisition-System_V1.0.PcbDoc" at -1258.51,-4106.22 h57.09
  text "1:1" at -4833.51,-4131.22 h70
  text "1/1" at -2708.51,-4131.22 h70
  text "4" at -4386.61,-4314.92 h70
  text "3" at -1516.61,-4314.92 h70
  text "2" at 1363.39,-4314.92 h70
  text "1" at 4223.39,-4314.92 h70